# Altium PCB Pannel3.5x2 Ver0.1.PcbDoc (part 1 of 4) (continued)
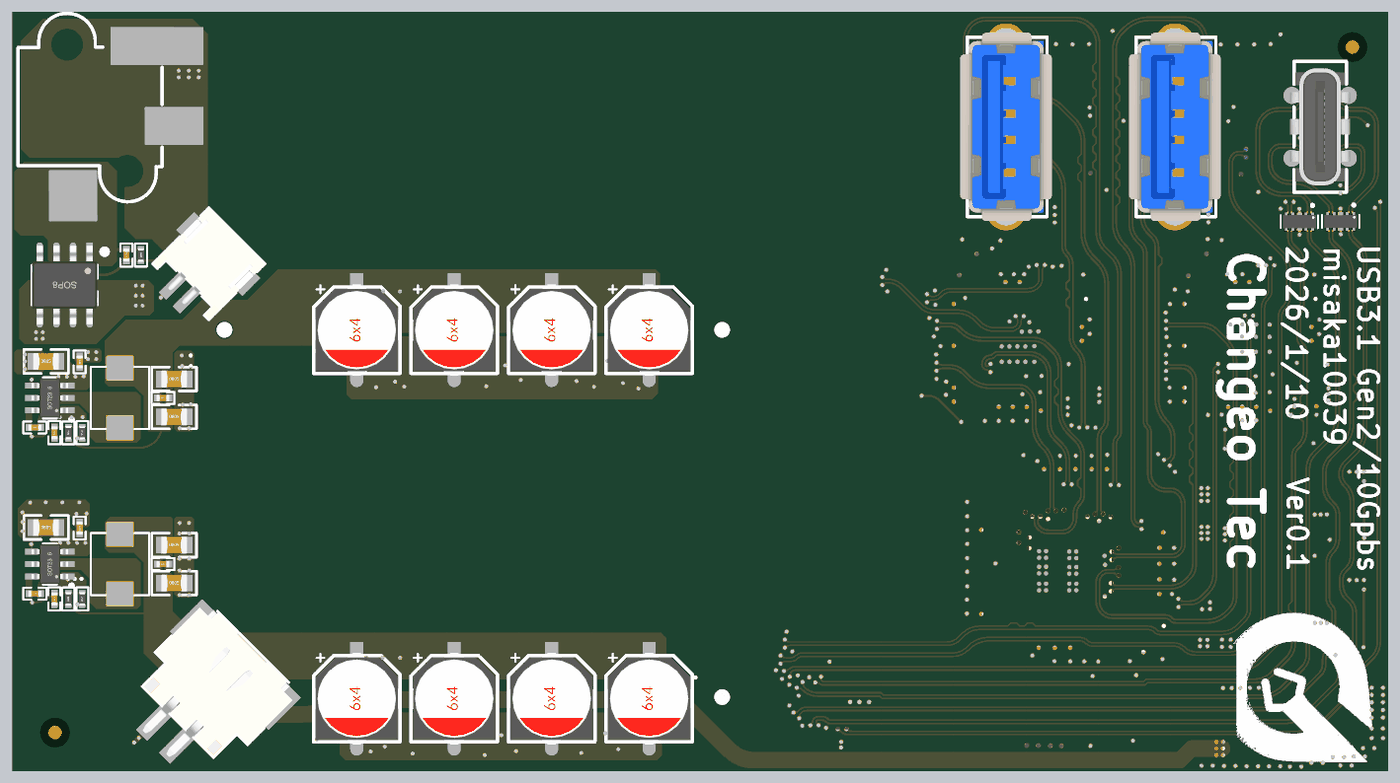
[diagram p7: 3D render of the assembled board from above, using the file's embedded part models]
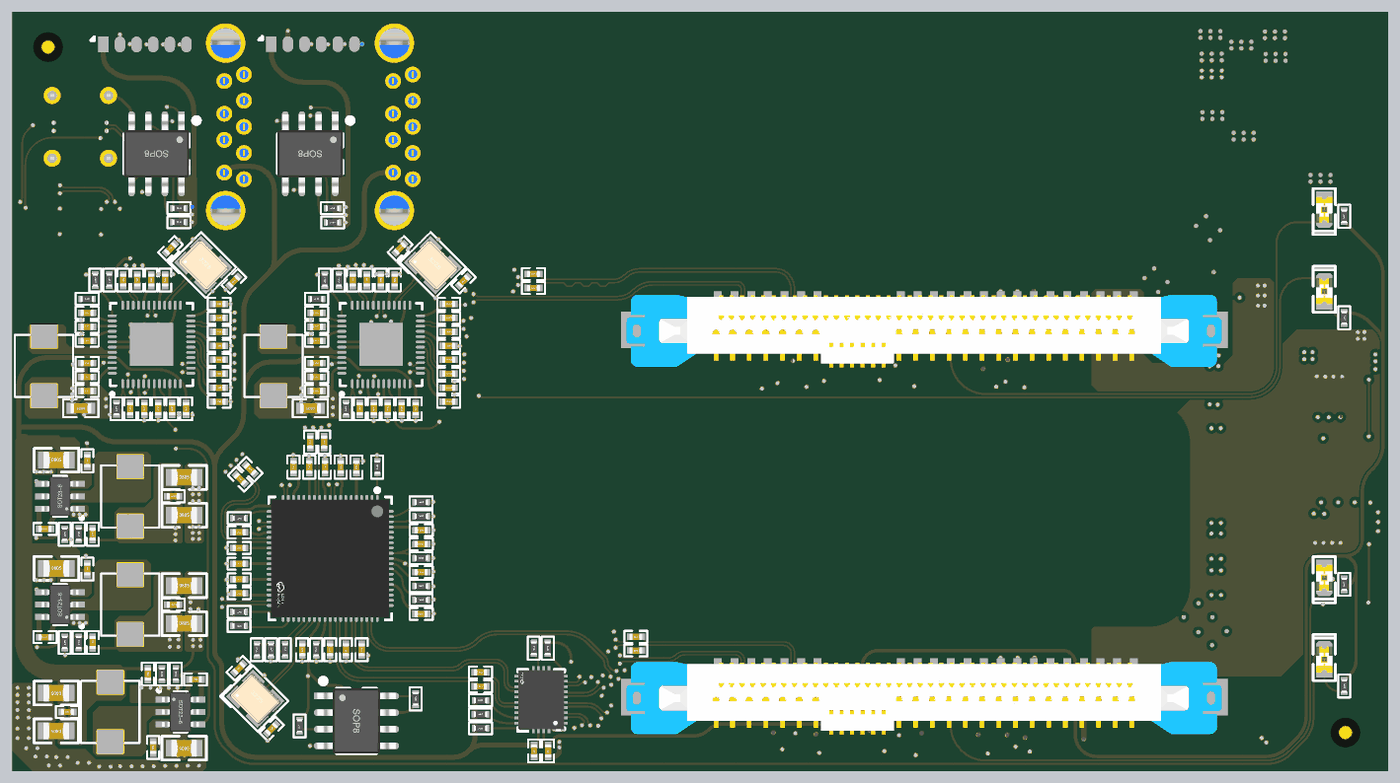
[diagram p8: 3D render of the assembled board from below, using the file's embedded part models]

## Layer stack, top to bottom
Top Solder: solder mask 0.3937, Solder Resist, Dk 3.5
SIGNAL: signal copper 1.4
Dielectric 2: prepreg 3.9134, PP-006, Dk 4.1
GROUND: signal copper 0.5984
Dielectric 1: dielectric 49.8031, FR-4, Dk 4.8
PWR: signal copper 0.5984
Dielectric 3: prepreg 3.9134, PP-006, Dk 4.1
SIGNAL (Bottom): signal copper 1.4
Bottom Solder: solder mask 0.3937, Solder Resist, Dk 3.5

## Board outline
118.36,1219.68 cw(c118.4,1337.84) 0.25,1337.79 0.25,3385.04 cw(c118.34,3385.06) 118.36,3503.15 4016,3503.15 cw(c4016.09,3385.13) 4134.11,3385.04 4134.11,1337.8 cw(c4016.02,1337.78) 4016,1219.69
cut-out: 716.79,2765.63 cw(c716.83,2883.78) 598.68,2883.74 598.68,3317.24 cw(c716.83,3317.2) 716.79,3435.35 2724.66,3435.35 cw(c2724.68,3317.27) 2842.77,3317.24 2842.77,2883.74 cw(c2724.68,2883.72) 2724.66,2765.63
cut-out: 716.79,1657.95 cw(c716.83,1776.11) 598.68,1776.06 598.68,2209.57 cw(c716.83,2209.52) 716.79,2327.68 2724.66,2327.68 cw(c2724.68,2209.59) 2842.77,2209.57 2842.77,1776.06 cw(c2724.68,1776.04) 2724.66,1657.95

## Design rules (kind name [scope] priority, off if disabled: settings)
Clearance [All] p1: gap=4 ignorepadtopadclearanceinfootprint=FALSE except(0: Arc-Text Arc-Hole Track-Text Track-Hole SMDPad-Text SMDPad-Hole THPad-Text THPad-Hole Via-Text Via-Hole Fill-Text Fill-Hole Poly-Text Poly-Hole Region-Text Region-Hole Text-Text Text-Hole; 8.66: Via-Via; 9.06: Via-Fill Via-Poly Via-Region)
ComponentClearance [All] p1: gap=0 collisioncheckmode=3 verticalgap=0 showdistances=FALSE
DiffPairsRouting "Schematic Differential Pairs Routing_1" [InNetClass('SATA')] p1: maxlimit=6 minlimit=6 mostfreqgap=6 toplayer_minwidth=4.29 toplayer_maxwidth=4.29 toplayer_prefwidth=4.29 midlayer1_minwidth=4.29 midlayer1_maxwidth=4.29 midlayer1_prefwidth=4.29 midlayer2_minwidth=4.29 midlayer2_maxwidth=4.29 midlayer2_prefwidth=4.29 bottomlayer_minwidth=4.29 bottomlayer_maxwidth=4.29 bottomlayer_prefwidth=4.29 maxuncoupledlength=500
DiffPairsRouting "Schematic Differential Pairs Routing" [InNetClass('USB')] p2: maxlimit=5 minlimit=5 mostfreqgap=5 toplayer_minwidth=5.1 toplayer_maxwidth=5.1 toplayer_prefwidth=5.1 midlayer1_minwidth=5.1 midlayer1_maxwidth=5.1 midlayer1_prefwidth=5.1 midlayer2_minwidth=5.1 midlayer2_maxwidth=5.1 midlayer2_prefwidth=5.1 bottomlayer_minwidth=5.1 bottomlayer_maxwidth=5.1 bottomlayer_prefwidth=5.1 maxuncoupledlength=500
DiffPairsRouting [All] p3: maxlimit=10 minlimit=10 mostfreqgap=10 toplayer_minwidth=15 toplayer_maxwidth=15 toplayer_prefwidth=15 midlayer1_minwidth=15 midlayer1_maxwidth=15 midlayer1_prefwidth=15 midlayer2_minwidth=15 midlayer2_maxwidth=15 midlayer2_prefwidth=15 bottomlayer_minwidth=15 bottomlayer_maxwidth=15 bottomlayer_prefwidth=15 maxuncoupledlength=500
MinimumSolderMaskSliver [All] p1: minsoldermaskwidth=0
NetAntennae [All] p1 off: netantennaetolerance=3.94
PlaneClearance [All] p1: clearance=8
PlaneConnect [All] p1: planeconnectstyle=Direct reliefexpansion=20 reliefentries=4 reliefconductorwidth=10 reliefairgap=10
PolygonConnect [All] p1: connectstyle=Direct reliefconductorwidth=10 reliefentries=4 polygonreliefangle="90 Angle" airgapwidth=10
RoutingVias "Schematic Routing Via Style_58" [InNetClass('USB')] p1: holewidth=11.81 width=15.75 viastyle="Through Hole" minholewidth=7.87 minwidth=11.81 maxholewidth=28 maxwidth=39.37
RoutingVias "Schematic Routing Via Style_1" [InNetClass('SATA')] p2: holewidth=11.81 width=15.75 viastyle="Through Hole" minholewidth=7.87 minwidth=11.81 maxholewidth=28 maxwidth=50
RoutingVias [All] p3: holewidth=11.81 width=15.75 viastyle="Through Hole" minholewidth=11.81 minwidth=15.75 maxholewidth=19.68 maxwidth=23.62
SilkToSolderMaskClearance [IsPad] p1: minsilkscreentomaskgap=0 clearancetoexposedcopper=TRUE
SolderMaskExpansion 过孔盖油 [isvia] p1: expansion=4 istentingtop=TRUE
Width [All] p1: maxlimit=100 minlimit=2 preferedwidth=6
23 further rules are at their usual default settings.

## Classes and differential pairs
net class USB: cap_SSRX1_N cap_SSRX1_P cap_SSRX4_N cap_SSRX4_P cap_SSTX1_N cap_SSTX1_P cap_SSTX2_N cap_SSTX2_P cap_SSTX3_N cap_SSTX3_P cap_SSTX4_N cap_SSTX4_P cap_SSTX_N cap_SSTX_P HSD1_N HSD1_P HSD2_N HSD2_P HSD3_N HSD3_P HSD4_N HSD4_P IN_CC1 IN_CC2 IN_SSRX1_N IN_SSRX1_P IN_SSRX2_N IN_SSRX2_P IN_SSTX1_N IN_SSTX1_P IN_SSTX2_N IN_SSTX2_P SSRX1_N SSRX1_P SSRX2_N SSRX2_P SSRX3_N SSRX3_P SSRX4_N SSRX4_P SSRX_N SSRX_P SSTX1_N SSTX1_P SSTX2_N SSTX2_P SSTX3_N SSTX3_P SSTX4_N SSTX4_P SSTX_N SSTX_P USBD_N USBD_P
net class SATA: cap_RX1_N cap_RX1_P cap_RX2_N cap_RX2_P cap_TX1_N cap_TX1_P cap_TX2_N cap_TX2_P RX1_N RX1_P RX2_N RX2_P TX1_N TX1_P TX2_N TX2_P
net class PWR: GND VBUS VCC1.05V-VL822 VCC1V2-B VCC1V2-C VCC3.3V-VL822 VCC5V-A VCC5V-B VCC12V VIN
component class vl822: C89 C90 C91 C92 C93 C94 C95 C96 C97 C98 C99 C100 C101 C102 C103 C104 C105 C106 C107 C108 C109 C110 C111 C112 C113 C114 C115 C116 C117 C118 C119 C120 R28 R29 R30 R31 R32 R33 R34 R35 R36 R37 R38 R39 R40 R41 R42 R43 R44 R45 R46 R47 U10 U11 U12 U13 U14 Y3
component class pwr: C1 C2 C3 C4 C5 C6 C7 C8 C9 C10 C11 C12 C13 C14 C15 C16 C17 C18 C19 C20 C21 C22 C23 C24 C25 C26 C27 C28 C29 C30 C31 C32 C33 C34 C35 C36 E1 E2 E3 E4 E5 E6 E7 E8 JP1 JP2 L1 L2 L3 L4 L5 MR1 MR2 MR3 MR4 Q1 R1 R2 R3 R4 R5 R6 R7 R8 R9 R10 R11 U1 U2 U3 U4 U5
component class jmb575: C45 C46 C47 C48 C49 C50 C51 C52 C53 C54 C55 C56 C57 C58 C59 C60 C61 C62 C63 C64 C65 C66 C67 C68 C69 C70 C71 C72 C73 C74 C75 C76 C77 C78 C79 C80 C81 C82 C83 C84 C85 C86 C87 C88 JP3 JP4 L6 L7 R16 R17 R18 R19 R20 R21 R22 R23 R24 R25 R26 R27 U6 U7 U8 U9 Y1 Y2
component class connector: C37 C38 C39 C40 C41 C42 C43 C44 CON1 J1 J2 J3 J4 J5 LED1 LED2 LED3 LED4 R12 R13 R14 R15
differential pair cap_TX1: +cap_TX1_P -cap_TX1_N
differential pair cap_RX1: +cap_RX1_P -cap_RX1_N
differential pair TX1: +TX1_P -TX1_N
differential pair RX1: +RX1_P -RX1_N
differential pair cap_SSRX1: +cap_SSRX1_P -cap_SSRX1_N
differential pair SSTX1: +SSTX1_P -SSTX1_N
differential pair cap_TX2: +cap_TX2_P -cap_TX2_N
differential pair cap_RX2: +cap_RX2_P -cap_RX2_N
differential pair USBD: +USBD_P -USBD_N
differential pair TX2: +TX2_P -TX2_N
differential pair SSTX: +SSTX_P -SSTX_N
differential pair SSTX4: +SSTX4_P -SSTX4_N
differential pair SSTX3: +SSTX3_P -SSTX3_N
differential pair SSTX2: +SSTX2_P -SSTX2_N
differential pair SSRX: +SSRX_P -SSRX_N
differential pair SSRX4: +SSRX4_P -SSRX4_N
differential pair SSRX3: +SSRX3_P -SSRX3_N
differential pair SSRX2: +SSRX2_P -SSRX2_N
differential pair SSRX1: +SSRX1_P -SSRX1_N
differential pair RX2: +RX2_P -RX2_N
differential pair IN_SSTX2: +IN_SSTX2_P -IN_SSTX2_N
differential pair IN_SSTX1: +IN_SSTX1_P -IN_SSTX1_N
differential pair IN_SSRX2: +IN_SSRX2_P -IN_SSRX2_N
differential pair IN_SSRX1: +IN_SSRX1_P -IN_SSRX1_N
differential pair HSD4: +HSD4_P -HSD4_N
differential pair HSD3: +HSD3_P -HSD3_N
differential pair HSD2: +HSD2_P -HSD2_N
differential pair HSD1: +HSD1_P -HSD1_N
differential pair cap_SSTX: +cap_SSTX_P -cap_SSTX_N
differential pair cap_SSTX4: +cap_SSTX4_P -cap_SSTX4_N
differential pair cap_SSTX3: +cap_SSTX3_P -cap_SSTX3_N
differential pair cap_SSTX2: +cap_SSTX2_P -cap_SSTX2_N
differential pair cap_SSTX1: +cap_SSTX1_P -cap_SSTX1_N
differential pair cap_SSRX3: +cap_SSRX4_P -cap_SSRX4_N

## Components (designator, comment, footprint, x,y, rotation, side; value= is the part's Value field where it differs from the comment)
C1 "100nF 50V" C0402_L 3651.08,2046 r180 bottom
C2 "100nF 50V" C0402_L 451.59,2342 r0 top
C3 "100nF 50V" C0402_L 4036,1948 r180 bottom
C4 "100nF 50V" C0402_L 66.28,2253 r0 top
C5 "22uF 10V" C0805_L 4002,2155 r180 bottom
C6 "100nF 50V" C0402_L 3909,2153 r270 bottom
C7 "22uF 25V" C0805_L 100,2452 r0 top
C8 "100nF 50V" C0402_L 201,2450.72 r270 top
C9 "150PF 50V" C0402_L 3893,1932 r270 bottom
C10 "68PF 50V" C0402_L 125,2237.27 r270 top
C11 "47uF 6.3V" C0805_L 3617.6,2103 r180 bottom
C12 "47uF 6.3V" C0805_L 3617.6,1989 r180 bottom
C13 "22uF 10V" C0805_L 485.08,2399 r0 top
C14 "22uF 10V" C0805_L 485.08,2285 r0 top
C15 "100nF 50V" C0402_L 3651.08,1720 r180 bottom
C16 "100nF 50V" C0402_L 451.59,1842 r0 top
C17 "100nF 50V" C0402_L 4036,1622 r180 bottom
C18 "100nF 50V" C0402_L 66.28,1753 r0 top
C19 "22uF 25V" C0805_L 4002,1829 r180 bottom
C20 "100nF 50V" C0402_L 3909,1827 r270 bottom
C21 "22uF 25V" C0805_L 100,1952 r0 top
C22 "100nF 50V" C0402_L 201,1950.72 r270 top
C23 "56PF 50V" C0402_L 3893,1606 r270 bottom
C24 "68PF 50V" C0402_L 125,1737.27 r270 top
C25 "47uF 6.3V" C0805_L 3617.6,1777 r180 bottom
C26 "47uF 6.3V" C0805_L 3617.6,1663 r180 bottom
C27 "22uF 10V" C0805_L 485.08,1785 r0 top
C28 "22uF 10V" C0805_L 485.08,1899 r0 top
C29 "100nF 50V" C0402_L 3968.92,1397 r0 bottom
C30 "100nF 50V" C0402_L 3584,1495 r0 bottom
C31 "22uF 25V" C0805_L 3618,1288 r0 bottom
C32 "100nF 50V" C0402_L 3711,1290 r90 bottom
C33 "68PF 50V" C0402_L 3727,1511 r90 bottom
C34 "22uF 10V" C0805_L 4002.4,1454 r0 bottom
C35 "22uF 10V" C0805_L 4002.4,1340 r0 bottom
C36 "1nF 25V" C0402_L 341.33,2772 r270 top
C37 "10nF 6.3V" C0402_L 3111,2696.72 r270 bottom
C38 "10nF 6.3V" C0402_L 3801,2696.72 r270 bottom
C39 "10nF 6.3V" C0402_L 3069,2696.72 r270 bottom
C40 "10nF 6.3V" C0402_L 3759,2696.72 r270 bottom
C41 "10nF 6.3V" C0402_L 2568,2673 r0 bottom
C42 "10nF 6.3V" C0402_L 2260,1582 r0 bottom
C43 "10nF 6.3V" C0402_L 2568,2715 r0 bottom
C44 "10nF 6.3V" C0402_L 2260,1623 r0 bottom
C45 "1uF 10V" C0402_L 3909.72,2598 r180 bottom
C46 "10uF 6.3V" C0603_L 3928.54,2311 r0 bottom
C47 "100nF 6.3V" C0402_L 3909.72,2363 r0 bottom
C48 "1uF 10V" C0402_L 3780,2309.29 r270 bottom
C49 "100nF 6.3V" C0402_L 3717,2696.72 r270 bottom
C50 "100nF 6.3V" C0402_L 3909.72,2514 r180 bottom
C51 "100nF 6.3V" C0402_L 3738,2309.28 r90 bottom
C52 "100nF 6.3V" C0402_L 3654,2309.28 r90 bottom
C53 "100nF 6.3V" C0402_L 3513,2373 r0 bottom
C54 "100nF 6.3V" C0402_L 3513,2625 r0 bottom
C55 "100nF 6.3V" C0402_L 3675,2696.72 r270 bottom
C56 "100nF 6.3V" C0402_L 3513,2499 r0 bottom
C57 "100nF 6.3V" C0402_L 3909.72,2447 r180 bottom
C58 "100nF 6.3V" C0402_L 3612,2309.28 r90 bottom
C59 "100nF 6.3V" C0402_L 3909.72,2405 r180 bottom
C60 "100nF 6.3V" C0402_L 3909.72,2556 r180 bottom
C61 "100nF 6.3V" C0402_L 3696,2309.28 r90 bottom
C62 "100nF 6.3V" C0402_L 3513,2331 r0 bottom
C63 "100nF 6.3V" C0402_L 3513,2415 r0 bottom
C64 "100nF 6.3V" C0402_L 3513,2457 r0 bottom
C65 "33pF/16V" C0402_L 3659,2792 r135 bottom
C66 "33pF/16V" C0402_L 3468.53,2693.47 r315 bottom
C67 "1uF 10V" C0402_L 3219.72,2598 r180 bottom
C68 "10uF 6.3V" C0603_L 3238.54,2311 r0 bottom
C69 "100nF 6.3V" C0402_L 3219.72,2363 r0 bottom
C70 "1uF 10V" C0402_L 3090,2309.29 r270 bottom
C71 "100nF 6.3V" C0402_L 2823,2625 r0 bottom
C72 "100nF 6.3V" C0402_L 3219.72,2514 r180 bottom
C73 "100nF 6.3V" C0402_L 2823,2499 r0 bottom
C74 "100nF 6.3V" C0402_L 2823,2373 r0 bottom
C75 "100nF 6.3V" C0402_L 3048,2309.28 r90 bottom
C76 "100nF 6.3V" C0402_L 3027,2696.72 r270 bottom
C77 "100nF 6.3V" C0402_L 2964,2309.28 r90 bottom
C78 "100nF 6.3V" C0402_L 2985,2696.72 r270 bottom
C79 "100nF 6.3V" C0402_L 3219.72,2447 r180 bottom
C80 "100nF 6.3V" C0402_L 2922,2309.28 r90 bottom
C81 "100nF 6.3V" C0402_L 3006,2309.28 r90 bottom
C82 "100nF 6.3V" C0402_L 2823,2331 r0 bottom
C83 "100nF 6.3V" C0402_L 3219.72,2556 r180 bottom
C84 "100nF 6.3V" C0402_L 3219.72,2405 r180 bottom
C85 "100nF 6.3V" C0402_L 2823,2415 r0 bottom
C86 "100nF 6.3V" C0402_L 2823,2457 r0 bottom
C87 "33pF/16V" C0402_L 2969,2792 r135 bottom
C88 "33pF/16V" C0402_L 2778.53,2693.47 r315 bottom
C89 "100nF 10V" C0402_L 2566,1279.75 r90 bottom
C90 "4.7uF 10V NC" C0402_L 2524,1279.75 r90 bottom
C91 "100nF 6.3V" C0402_L 2905.28,1902 r180 bottom
C92 "100nF 6.3V" C0402_L 2823,2583 r180 bottom
C93 "100nF 6.3V" C0402_L 2823,2541 r180 bottom
C94 "100nF 6.3V" C0402_L 2727,1516 r0 bottom
C95 "100nF 6.3V" C0402_L 2727.13,1474 r0 bottom
C96 "100nF 6.3V" C0402_L 3197,2209.28 r270 bottom
C97 "100nF 6.3V" C0402_L 3239,2209.28 r270 bottom
C98 "100nF 6.3V" C0402_L 3419.53,2127.53 r225 bottom
C99 "100nF 6.3V" C0402_L 3513,2541 r180 bottom
C100 "100nF 6.3V" C0402_L 3449.53,2097.53 r225 bottom
C101 "100nF 6.3V" C0402_L 3513,2583 r180 bottom
C102 "100nF 6.3V" C0402_L 2905.28,1944 r0 bottom
C103 "100nF 6.3V" C0402_L 2905.28,1692 r0 bottom
C104 "100nF 6.3V" C0402_L 3289.2,2133.71 r270 bottom
C105 "100nF 6.3V" C0402_L 3452.72,1937.7 r180 bottom
C106 "100nF 6.3V" C0402_L 3263,1584.28 r90 bottom
C107 "22pF/16V" C0402_L 3453.53,1528.47 r135 bottom
C108 "22pF/16V" C0402_L 3355,1346 r315 bottom
C109 "100nF 6.3V" C0402_L 3147.5,2133.72 r270 bottom
C110 "100nF 6.3V" C0402_L 3179,1584.28 r90 bottom
C111 "100nF 6.3V" C0402_L 3242,2133.72 r270 bottom
C112 "100nF 6.3V" C0402_L 3084.5,1584.28 r90 bottom
C113 "100nF 6.3V" C0402_L 3452.72,1843.3 r180 bottom
C114 "100nF 6.3V" C0402_L 3452.72,1890.5 r180 bottom
C115 "100nF 6.3V" C0402_L 3452.72,1754 r180 bottom
C116 "100nF 6.3V" C0402_L 3100.3,2133.72 r270 bottom
C117 "100nF 6.3V" C0402_L 3131.8,1584.28 r90 bottom
C118 "100nF 6.3V" C0402_L 3452.72,1796 r180 bottom
C119 "100nF 6.3V" C0402_L 2905.28,1818 r0 bottom
C120 "100nF 6.3V" C0402_L 3194.7,2133.72 r270 bottom
CON1 "3.5*1.3" DC-IN-SMD_DC-182-25A 333,3176 r180 top
E1 "47uF/16V" "CS 6*4 - R" 1327,1437 r90 top
E2 "47uF/16V" "CS 6*4 - R" 1620,1437 r90 top
E3 "47uF/16V" "CS 6*4 - R" 1913,1437 r90 top
E4 "47uF/16V" "CS 6*4 - R" 1034,1437 r90 top
E5 "47uF/16V" "CS 6*4 - R" 1620,2546 r90 top
E6 "47uF/16V" "CS 6*4 - R" 1913,2546 r90 top
E7 "47uF/16V" "CS 6*4 - R" 1034,2546 r90 top
E8 "47uF/16V" "CS 6*4 - R" 1327,2546 r90 top
J1 "SATA15P" "SATA 15P 贴片" 2132.33,2547.04 r180 bottom locked
J2 "SATA15P" "SATA 15P 贴片" 2132.33,1441.78 r180 bottom locked
J3 "TYPEC-501S-ACP24H92" "TypeC 24p 直立" 3930,3158 r270 top locked
J4 "USB3.1_Type-A" "USB3.1_Type-A 立式直插" 3467.68,3158 r90 top locked
J5 "USB3.1_Type-A" "USB3.1_Type-A 立式直插" 2960.4,3158 r90 top locked
JP1 "HDR-1X2" ZH1.5-WS-2P 618,2775 r135 top
JP2 "HDR-1X2" XH2.54-WS-2P 609.21,1480 r135 top
JP3 "HDR-1X6" 6p烧录点 3736,3406 r180 bottom
JP4 "HDR-1X6" 6p烧录点 3231,3407 r180 bottom
L1 "1.5uH" SMMS0420 3780,2046 r90 bottom
L2 "10uH" SMMS0420 322.37,2342 r270 top
L3 "4.7uH" SMMS0420 3780,1720 r90 bottom
L4 "10uH" SMMS0420 322.37,1842 r270 top
L5 "10uH" SMMS0420 3840,1397 r270 bottom
L6 "4.7uH" SMMS0420 4039,2438.32 r90 bottom
L7 "4.7uH" SMMS0420 3349,2438.32 r90 bottom
LED1 "blue" "LED 0805B" 190.61,1800.53 r270 bottom
LED2 "green" "LED 0805G" 190.62,1555.44 r90 bottom
LED3 "blue" "LED 0805B" 190.61,2908.51 r270 bottom
LED4 "green" "LED 0805G" 190.62,2663.42 r90 bottom
MR1 "MARK1.6" "Mark 1" 127,1335 r0 top
MR2 "MARK1.6" "Mark 1" 4027,3398 r180 bottom
MR3 "MARK1.6" "Mark 1" 127,1335 r180 bottom
MR4 "MARK1.6" "Mark 1" 4027,3398 r0 top
Q1 "Pmos_SOP8" SOP8_L 156,2682 r270 top
R1 "100K 1%" R0402_L 3935,1932 r90 bottom
R2 "100K 1%" R0402_L 167,2237.27 r90 top
R3 "66.5K 1%" R0402_L 3977,1931.87 r270 bottom
R4 "13.7K 1%" R0402_L 209,2237.14 r270 top
R5 "100K 1%" R0402_L 3935,1606 r90 bottom
R6 "100K 1%" R0402_L 167,1737.27 r90 top
R7 "22.1K 1%" R0402_L 3977,1605.87 r270 bottom
R8 "13.7K 1%" R0402_L 209,1737.14 r270 top
R9 "100K 1%" R0402_L 3685,1511 r270 bottom
R10 "13.7K 1%" R0402_L 3643,1511.13 r90 bottom
R11 "10K 1%" R0402_L 385.33,2772 r270 top
R12 "4.7K 1%" R0402_L 130.61,1780.98 r90 bottom
R13 "4.7K 1%" R0402_L 130.61,1474.98 r270 bottom
R14 "4.7K 1%" R0402_L 130.61,2888.98 r90 bottom
R15 "4.7K 1%" R0402_L 130.61,2582.98 r270 bottom
R16 "330K 1%" R0402_L 3909.59,2640 r180 bottom
R17 "4.7K 1%" R0402_L 3885,2696.59 r270 bottom
R18 "100K 1%" R0402_L 3821.39,2309.41 r90 bottom
R19 "12K 1%" R0402_L 3843,2696.59 r270 bottom
R20 "10K 1%" R0402_L 3633.73,2871 r0 bottom
R21 "10K 1%" R0402_L 3633.73,2913 r0 bottom
R22 "330K 1%" R0402_L 3219.59,2640 r180 bottom
R23 "4.7K 1%" R0402_L 3195,2696.59 r270 bottom
R24 "100K 1%" R0402_L 3131.39,2309.41 r90 bottom
R25 "12K 1%" R0402_L 3153,2696.59 r270 bottom
R26 "10K 1%" R0402_L 3171.73,2870 r0 bottom
R27 "10K 1%" R0402_L 3171.73,2913 r180 bottom
R28 "10K 1%" R0402_L 2727.25,1390 r180 bottom
R29 "10K 1%" R0402_L 2727,1432 r180 bottom
R30 "4.7K 1%" R0402_L 2905.27,1860 r180 bottom
R31 "4.7K 1%" R0402_L 2905.27,1776 r180 bottom
R32 "4.7K 1%" R0402_L 2905.27,1986 r180 bottom
R33 "4.7K 1%" R0402_L 2905.27,1734 r180 bottom
R34 "10K 1%" R0402_L 2727,1348 r0 bottom
R35 "4.7K 1%" R0402_L 2905.27,2028 r180 bottom
R36 "20K 1%" R0402_L 2567,1589 r270 bottom
R37 "20K 1%" R0402_L 2525,1589 r270 bottom
R38 "4.7K 1%" R0402_L 3037.3,2133.84 r90 bottom
R39 "12.4k 1%" R0402_L 3221,1584.16 r270 bottom
R40 "4.7K 1%" R0402_L 3399,1584.16 r270 bottom
R41 "1M 1%" R0402_L 3315,1584.16 r270 bottom
R42 "10K 1%" R0402_L 3357,1584.16 r270 bottom
R43 "4.7K 1%" R0402_L 3453,1698 r0 bottom
R44 "4.7K 1%" R0402_L 3453,1656 r0 bottom
R45 "4.7K 1%" R0402_L 3452.84,1980 r0 bottom
R46 "10K 1%" R0402_L 3271,1355 r90 bottom
R47 "10K 1%" R0402_L 2922,1436 r270 bottom
U1 "TPS54202DDCR" SOT23-6L 3991,2046 r90 bottom
U2 "TPS54202DDCR" SOT23-6L 111.67,2342 r90 top
U3 "TPS54202DDCR" SOT23-6L 3991,1720 r90 bottom
U4 "TPS54202DDCR" SOT23-6L 111.67,1842 r90 top
U5 "TPS54202DDCR" SOT23-6L 3629,1397 r270 bottom
U6 "JMS578" QFN48-L6.0-W6.0-P0.4 3716,2503 r90 bottom
U7 "P25Q21H" SOP8_L 3701,3077 r270 bottom
U8 "JMS578" QFN48-L6.0-W6.0-P0.4 3026,2503 r90 bottom
U9 "P25Q21H" SOP8_L 3239,3077 r270 bottom
U10 "VL160" MQFN-28_L4.5-W3.5-P0.40-BL-EP 2545,1434 r90 bottom
U11 "VL822 Q7" QFN-76_L9.0-W9.0-P0.40-EP6.3-TL 3179,1859 r270 bottom
U12 "TPD4E02B04" DIO_TPD4E02B04DQAR 3867.89,2872.35 r270 top
U13 "TPD4E02B04" DIO_TPD4E02B04DQAR 3991.63,2873.44 r270 top
U14 "P25Q21H" SOP8_L 3100,1370 r180 bottom
Y1 "30Mhz" "OSC 3225-4P" 3560,2742 r225 bottom
Y2 "30Mhz" "OSC 3225-4P" 2870,2742 r225 bottom
Y3 "25Mhz" "OSC 3225-4P" 3404,1437 r225 bottom

## Footprints (in the part's own frame and the unit in brackets; to place one, negate y for a bottom-side part, rotate by r counter-clockwise, add the part's x,y. Pads: shape width x height; smd on the part's side, far side on the other; paste and mask are expansions set on the pad)
6p烧录点 [mm] "6p烧录点 1.27mm"
  rect 0.8x1.2 smd: 1(-3.175,0)
  oval 0.8x1.2 smd: 2(-1.905,0) 3(-0.635,0) 4(0.635,0) 5(1.905,0) 6(3.175,0)
  silkscreen extent -4.11,0.32 -3.86,0.57
C0402_L [mm] "贴片MLCC电容"
  rect 0.5x0.5 smd: 1(-0.45,0) 2(0.45,0)
  silkscreen extent -0.87,-0.46 0.88,0.46, body extent -0.5,-0.25 0.5,0.25, height 0.5
C0603_L [mm] "贴片MLCC电容"
  rect 0.75x0.85 smd: 1(-0.725,0) 2(0.725,0)
  silkscreen extent -1.35,-0.69 1.35,0.69, body extent -0.8,-0.4 0.8,0.4, height 0.8
C0805_L [mil] "贴片MLCC电容"
  rect 35x50 smd: 1(-37.4,0) 2(37.4,0)
  silkscreen extent -67,-36 67,36, body extent -39,-26 39,26, height 51
"CS 6*4 - R" [mm] "直径6mm，高4mm"
  rect 2.7x1 smd: 1(3,0)
  oval 2.7x1 smd: 2(-3,0)
  silkscreen extent -3.3,-3.3 3.43,3.3, body extent -3.5,-3.15 3.5,3.15, height 4.05
DC-IN-SMD_DC-182-25A [mm] "DC 005接口 立贴"
  rect 3.6x3.8 smd paste+0.051: 1(3.859,5.725)
  rect 4.4x2.8 smd paste+0.051: 2(-3.859,0.375)
  rect 7x2.8 smd paste+0.051: 3(-2.559,-5.725)
  Keep-Out Layer circle w0.003: c4.308,-5.825 r1.1
  Keep-Out Layer circle w0.003: c-0.291,3.825 r1.1
  Keep-Out Layer region: 5.408,-5.825 5.408,-5.97 5.334,-6.25 5.189,-6.5 4.984,-6.705 4.733,-6.85 4.453,-6.925 4.164,-6.925 3.884,-6.85 3.633,-6.705 3.428,-6.5 3.283,-6.25 3.208,-5.97 3.208,-5.825 3.208,-5.68 3.283,-5.4 3.428,-5.15 3.633,-4.945 3.884,-4.8 4.164,-4.725 4.453,-4.725 4.733,-4.8 4.984,-4.945 5.189,-5.15 5.334,-5.4 5.408,-5.68 5.408,-5.825 5.408,-5.825
  Keep-Out Layer region: 5.408,-5.825 5.408,-5.97 5.334,-6.25 5.189,-6.5 4.984,-6.705 4.733,-6.85 4.453,-6.925 4.164,-6.925 3.884,-6.85 3.633,-6.705 3.428,-6.5 3.283,-6.25 3.208,-5.97 3.208,-5.825 3.208,-5.68 3.283,-5.4 3.428,-5.15 3.633,-4.945 3.884,-4.8 4.164,-4.725 4.453,-4.725 4.733,-4.8 4.984,-4.945 5.189,-5.15 5.334,-5.4 5.408,-5.68 5.408,-5.825 5.408,-5.825
  Keep-Out Layer region: 0.809,3.825 0.809,3.68 0.734,3.4 0.589,3.149 0.384,2.945 0.133,2.8 -0.147,2.725 -0.436,2.725 -0.716,2.8 -0.967,2.945 -1.172,3.149 -1.316,3.4 -1.391,3.68 -1.391,3.825 -1.391,3.97 -1.316,4.249 -1.172,4.5 -0.967,4.705 -0.716,4.85 -0.436,4.925 -0.147,4.925 0.133,4.85 0.384,4.705 0.589,4.5 0.734,4.249 0.809,3.97 0.809,3.825 0.809,3.825
  Keep-Out Layer region: 0.809,3.825 0.809,3.68 0.734,3.4 0.589,3.149 0.384,2.945 0.133,2.8 -0.147,2.725 -0.436,2.725 -0.716,2.8 -0.967,2.945 -1.172,3.149 -1.316,3.4 -1.391,3.68 -1.391,3.825 -1.391,3.97 -1.316,4.249 -1.172,4.5 -0.967,4.705 -0.716,4.85 -0.436,4.925 -0.147,4.925 0.133,4.85 0.384,4.705 0.589,4.5 0.734,4.249 0.809,3.97 0.809,3.825 0.809,3.825
  silkscreen extent -2.94,-8.22 8.06,6.18, body extent -4.87,-6.94 8.02,7.1, height 13.95
DIO_TPD4E02B04DQAR [mm]
  rect 0.565x0.2 smd mask+0: 1(-0.417,1) 2(-0.417,0.5) 4(-0.417,-0.5) 5(-0.417,-1) 6(0.417,-1) 7(0.417,-0.5) 9(0.417,0.5) 10(0.417,1)
  rect 0.565x0.4 smd paste-1 mask+0: 3(-0.417,0) 8(0.417,0)
  silkscreen extent -1.35,-1.42 0.5,1.42, body extent -0.5,-1.25 0.5,1.25, height 0.55
"LED 0805B" [mil] "蓝色0805LED"
  rect 35x50 smd: 1(-37.4,-0.01)
  oct 35x50 smd: 2(37.4,-0.01)
  silkscreen extent -64,-33 75,33, body extent -39,-25 39,25, height 32
"LED 0805G" [mil] "绿色0805LED"
  rect 35x50 smd: 1(-37.4,0)
  oct 35x50 smd: 2(37.4,0)
  silkscreen extent -64,-33 75,33, body extent -39,-25 39,25, height 32
"Mark 1" [mm] "光学定位点，直径1mm"
  round 1 smd paste-1 mask+0.635: Mark(0,0)